# Allegro board SUB_DISPLAY_BOARD_V1_0.brd (continued)
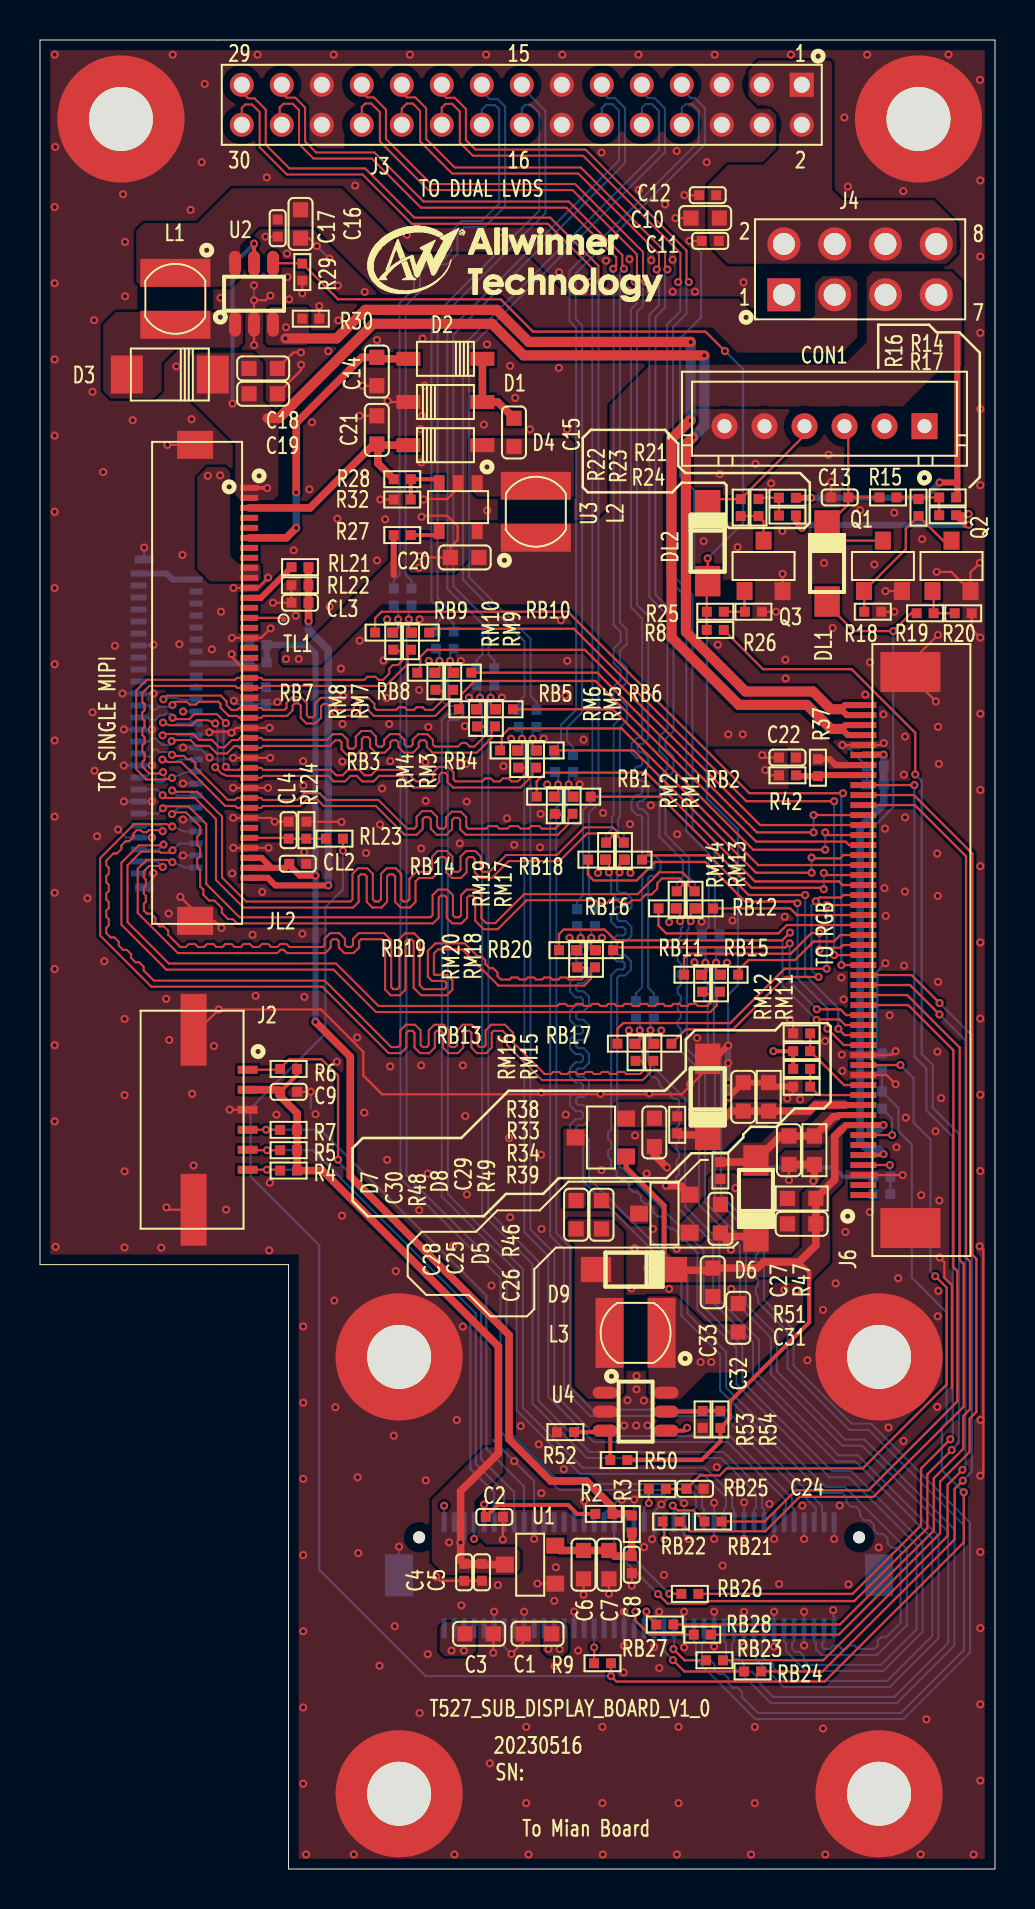
[diagram p0: board, top side]
## Routing (per net, layer and track width the routed paths; a pad name or vN(x,y) marks a point on that pad's centre or on a via; arc(x,y) is an arc through that point) (continued)
DSI1-D1N: length 59
  TOP w0.102: v1(32.54,47.4) 32.54,47.76 RB12.2
  BOTTOM w0.102: J1.58 34.21,11.38 34.3,11.28 34.3,10.54 36.54,8.3 42.84,8.3 45.72,11.18 45.72,16.98 41.23,21.48 40.25,21.48 36.85,24.88 36.85,26.69 35.3,28.24 35.3,31.3 33.26,33.34 33.26,40.11 32.34,41.02 32.34,46.89 32.43,46.97 32.43,47.28 v1(32.54,47.4) 32.54,47.85 RL17.2
DSI1-D1P: length 58.9
  TOP w0.102: v1(32.01,47.4) 32.01,47.87 RM14.2
  BOTTOM w0.102: RL18.2 32.01,47.89 v1(32.01,47.4) 32.12,47.28 32.12,47.1 32.04,47.01 32.04,46.63 31.89,46.48 31.89,46.23 32.04,46.07 32.04,45.82 31.89,45.67 31.89,45.41 32.04,45.26 32.04,45.01 31.89,44.86 31.89,44.6 32.04,44.45 32.04,44.2 31.89,44.04 31.89,43.79 32.04,43.64 32.04,43.38 31.89,43.23 31.89,42.98 32.04,42.82 32.04,42.57 31.89,42.42 31.89,42.16 32.04,42.01 32.04,40.89 32.95,39.98 32.95,33.21 34.99,31.17 34.99,28.11 36.54,26.57 36.54,24.75 40.12,21.17 41.1,21.17 45.42,16.86 45.42,11.31 42.72,8.61 36.67,8.61 35.82,9.45 35.82,9.65 35.61,9.87 35.4,9.87 35.19,10.08 35.19,10.29 34.97,10.5 34.77,10.5 34.61,10.66 34.61,11.28 34.71,11.38 J1.60
DSI1-D2N: length 58.4
  TOP w0.102: RM17.2 28.98,50.26 v1(28.98,49.83)
  BOTTOM w0.102: RL13.2 28.98,50.24 v1(28.98,49.83) 28.86,49.72 28.86,48.92 28.97,48.81 29.3,48.81 29.58,48.53 29.58,48.08 29.3,47.8 28.97,47.8 28.86,47.7 28.86,47.49 28.97,47.39 29.3,47.39 29.58,47.11 29.58,46.66 29.3,46.38 28.97,46.38 28.86,46.27 28.86,45.79 28.97,45.69 29.26,45.69 29.54,45.41 29.54,44.95 29.26,44.67 28.97,44.67 28.86,44.57 28.86,35.26 33.17,30.94 33.17,28.12 35.12,26.17 35.12,24.37 39.6,19.89 40.57,19.89 44.14,16.33 44.14,11.86 42.18,9.91 38.29,9.91 37.3,10.89 37.3,11.28 37.21,11.38 J1.70
DSI1-D2P: length 58.4
  TOP w0.102: v1(28.45,49.83) 28.45,50.34 RM19.2
  BOTTOM w0.102: J1.72 37.71,11.38 37.61,11.28 37.61,11.02 37.77,10.86 37.97,10.86 38.19,10.64 38.19,10.44 38.41,10.21 42.06,10.21 43.83,11.99 43.83,16.2 40.45,19.59 39.48,19.59 34.82,24.25 34.82,26.05 32.87,27.99 32.87,30.82 32.28,31.41 32.1,31.41 31.88,31.63 31.88,31.81 31.67,32.02 31.49,32.02 31.27,32.24 31.27,32.41 31.06,32.63 30.88,32.63 30.66,32.85 30.66,33.02 30.45,33.24 30.27,33.24 30.05,33.46 30.05,33.63 29.84,33.85 29.66,33.85 29.44,34.07 29.44,34.24 29.23,34.46 29.05,34.46 28.84,34.67 28.84,34.85 28.56,35.13 28.56,35.45 28.41,35.6 28.41,35.91 28.56,36.06 28.56,36.36 28.41,36.51 28.41,36.82 28.56,36.97 28.56,44.7 28.84,44.98 29.13,44.98 29.23,45.08 29.23,45.28 29.13,45.38 28.84,45.38 28.56,45.66 28.56,46.4 28.84,46.68 29.17,46.68 29.27,46.78 29.27,46.99 29.17,47.09 28.84,47.09 28.56,47.37 28.56,47.82 28.84,48.1 29.17,48.1 29.27,48.21 29.27,48.41 29.17,48.51 28.84,48.51 28.56,48.79 28.56,49.72 v1(28.45,49.83) 28.45,50.31 RL14.2
DSI1-D3N: length 55.2
  TOP w0.102: RM18.2 27.57,46.12 v1(27.57,46.56)
  BOTTOM w0.102: J1.76 38.71,11.38 38.8,11.28 38.8,10.98 39.08,10.7 41.86,10.7 43.34,12.19 43.34,16 40.24,19.1 39.28,19.1 34.31,24.07 34.31,25.85 32.37,27.79 32.37,29.61 27.45,34.53 27.45,36.5 27.17,36.78 26.91,36.78 26.81,36.88 26.81,37.08 26.91,37.18 27.17,37.18 27.45,37.46 27.45,37.92 27.17,38.2 26.91,38.2 26.81,38.3 26.81,38.51 26.91,38.61 27.17,38.61 27.45,38.89 27.45,39.34 27.17,39.62 26.91,39.62 26.81,39.72 26.81,39.93 26.91,40.03 27.17,40.03 27.45,40.31 27.45,40.77 27.17,41.05 26.91,41.05 26.81,41.15 26.81,41.35 26.91,41.45 27.17,41.45 27.45,41.73 27.45,42.19 27.17,42.47 26.91,42.47 26.81,42.57 26.81,42.77 26.91,42.87 27.17,42.87 27.45,43.15 27.45,43.61 27.17,43.89 26.91,43.89 26.81,43.99 26.81,44.2 26.91,44.3 27.17,44.3 27.45,44.58 27.45,45.03 27.17,45.31 26.91,45.31 26.81,45.41 26.81,45.62 26.91,45.72 27.17,45.72 27.45,46 27.45,46.46 27.55,46.56 v1(27.57,46.56) 27.57,46.96 RL11.2
DSI1-D3P: length 55.2
  TOP w0.102: v1(27.03,46.56) 27.03,46.11 RM20.2
  BOTTOM w0.102: RL12.2 27.03,46.97 v1(27.03,46.56) 27.15,46.44 27.15,46.13 27.05,46.02 26.78,46.02 26.5,45.74 26.5,45.29 26.78,45.01 27.05,45.01 27.15,44.91 27.15,44.7 27.05,44.6 26.78,44.6 26.5,44.32 26.5,43.87 26.78,43.59 27.05,43.59 27.15,43.48 27.15,43.28 27.05,43.18 26.78,43.18 26.5,42.9 26.5,42.44 26.78,42.16 27.05,42.16 27.15,42.06 27.15,41.86 27.05,41.76 26.78,41.76 26.5,41.48 26.5,41.02 26.78,40.74 27.05,40.74 27.15,40.64 27.15,40.44 27.05,40.33 26.78,40.33 26.5,40.05 26.5,39.6 26.78,39.32 27.05,39.32 27.15,39.22 27.15,39.01 27.05,38.91 26.78,38.91 26.5,38.63 26.5,38.18 26.78,37.9 27.05,37.9 27.15,37.79 27.15,37.59 27.05,37.49 26.78,37.49 26.5,37.21 26.5,36.75 26.78,36.47 27.05,36.47 27.15,36.37 27.15,34.41 32.07,29.49 32.07,27.66 34,25.73 34,23.94 39.15,18.8 40.11,18.8 40.32,18.59 40.32,18.33 40.54,18.12 40.79,18.12 41.01,17.9 41.01,17.65 41.22,17.43 41.48,17.43 41.69,17.22 41.69,16.96 41.91,16.75 42.16,16.75 42.38,16.53 42.38,16.28 42.59,16.06 42.85,16.06 43.04,15.88 43.04,12.31 42.31,11.58 42.05,11.58 41.89,11.42 41.89,11.17 41.73,11.01 40.9,11.01 40.73,11.17 40.49,11.17 40.33,11.01 40.09,11.01 39.92,11.17 39.68,11.17 39.51,11.01 39.21,11.01 39.11,11.11 39.11,11.28 39.21,11.38 J1.78
DSI1-DN0: length 39.4
  TOP w0.102: RM11.1 33.83,43.69 33.83,43.17 33.51,42.85 16.8,42.85 14.68,44.97 6.32,44.97 4.07,47.21 4.07,50.32 4.94,51.18 6.13,51.18 v1(6.18,51.22)
  BOTTOM w0.102: JM1.5 5.93,50.98 v1(6.18,51.22)
DSI1-DN1: length 38.5
  TOP w0.102: v1(6.15,53.04) 6.25,53.14 7.43,53.14 8.31,52.25 8.31,49.26 9.98,47.59 19.53,47.59 19.63,47.69 19.63,48.69 19.91,48.97 20.37,48.97 20.65,48.69 20.65,47.69 20.75,47.59 20.95,47.59 21.05,47.69 21.05,48.69 21.33,48.97 21.79,48.97 22.07,48.69 22.07,47.54 22.31,47.29 22.76,47.29 24.21,48.74 29.88,48.74 30.97,49.83 32.12,49.83 32.43,49.52 32.43,49.18 RM13.1
  BOTTOM w0.102: v1(6.15,53.04) 5.89,52.78 JM1.11
DSI1-DN2: length 39.6
  TOP w0.102: v1(6.61,53.93) 6.64,53.86 7.87,53.86 9.1,52.63 9.1,49.58 10.31,48.38 15.52,48.38 15.63,48.48 15.63,49.76 15.91,50.04 16.36,50.04 16.64,49.76 16.64,48.48 16.74,48.38 16.95,48.38 17.05,48.48 17.05,49.76 17.33,50.04 17.78,50.04 18.06,49.76 18.06,48.48 18.17,48.38 18.37,48.38 18.47,48.48 18.47,49.5 18.83,49.86 19.5,49.86 19.6,49.96 19.6,50.62 19.88,50.9 20.34,50.9 20.62,50.62 20.62,49.96 20.72,49.86 20.93,49.86 21.03,49.96 21.03,50.62 21.31,50.9 21.76,50.9 22.04,50.62 22.04,49.96 22.14,49.86 22.46,49.86 23.31,50.7 25.84,50.7 27.23,52.09 28.65,52.09 28.9,51.83 28.9,51.62 RM17.1
  BOTTOM w0.102: JM1.14 6.86,53.68 v1(6.61,53.93)
DSI1-DN3: length 43.3
  TOP w0.102: RM18.1 27.56,44.9 27.56,44.51 27.21,44.17 22.92,44.17 21.11,45.98 19.9,45.98 19.7,45.78 19.7,44.75 19.73,44.71 20.35,44.71 20.62,44.43 20.62,43.96 20.35,43.69 19.06,43.69 18.68,44.06 18.68,46.38 18.58,46.48 18.38,46.48 18.27,46.38 18.27,43.97 17.99,43.69 17.54,43.69 17.26,43.97 17.26,46.31 17.08,46.49 16.06,46.49 15.96,46.39 15.96,46.08 15.68,45.8 15.22,45.8 14.94,46.08 14.94,46.39 14.84,46.49 14.64,46.49 14.54,46.39 14.54,46.08 14.26,45.8 12.35,45.8 12.18,45.97 12.03,45.97 11.86,45.8 6.89,45.8 4.89,47.8 4.89,50.01 5.34,50.46 6.33,50.46 v1(6.62,50.34)
  BOTTOM w0.102: v1(6.62,50.34) 7.26,50.08 JM1.2
DSI1-DP0: length 39.3
  TOP w0.102: RM12.1 33.3,43.86 33.53,43.63 33.53,43.3 33.39,43.15 32.89,43.15 32.79,43.26 32.48,43.26 32.38,43.15 32.08,43.15 31.98,43.26 31.67,43.26 31.57,43.15 31.26,43.15 31.16,43.26 30.86,43.26 30.76,43.15 30.45,43.15 30.35,43.26 30.05,43.26 29.94,43.15 29.64,43.15 29.54,43.26 29.23,43.26 29.13,43.15 28.83,43.15 28.72,43.26 28.42,43.26 28.32,43.15 28.03,43.15 27.93,43.26 27.62,43.26 27.52,43.15 27.21,43.15 27.11,43.26 26.81,43.26 26.71,43.15 26.38,43.15 26.28,43.26 25.97,43.26 25.87,43.15 16.93,43.15 14.81,45.28 6.44,45.28 4.38,47.34 4.38,50.19 5.06,50.88 5.97,50.88 6.03,50.82 6.51,50.82 v1(6.63,50.94)
  BOTTOM w0.102: JM1.6 6.97,51.28 v1(6.63,50.94)
DSI1-DP1: length 38.5
  TOP w0.102: v1(6.6,52.75) 6.68,52.83 7.3,52.83 8.01,52.12 8.01,51.76 7.86,51.61 7.86,51.21 8.01,51.06 8.01,50.65 7.86,50.5 7.86,50.1 8.01,49.95 8.01,49.13 8.17,48.97 8.17,48.71 8.46,48.42 8.71,48.42 9.09,48.05 9.09,47.82 9.41,47.5 9.64,47.5 9.86,47.28 19.65,47.28 19.93,47.56 19.93,48.56 20.04,48.67 20.24,48.67 20.34,48.56 20.34,47.56 20.62,47.28 21.08,47.28 21.36,47.56 21.36,48.56 21.46,48.67 21.66,48.67 21.76,48.56 21.76,47.41 22.18,46.99 22.89,46.99 24.33,48.44 27.77,48.44 27.92,48.29 28.33,48.29 28.48,48.44 28.89,48.44 29.04,48.29 29.45,48.29 29.6,48.44 30.01,48.44 30.3,48.73 30.58,48.73 30.86,49.01 30.86,49.29 31.1,49.53 31.99,49.53 32.13,49.39 32.13,49.18 RM14.1
  BOTTOM w0.102: v1(6.6,52.75) 6.92,53.08 JM1.12
DSI1-DP2: length 39.6
  TOP w0.102: v1(6.13,53.69) 6.2,53.56 7.74,53.56 8.8,52.5 8.8,49.46 10.18,48.07 15.65,48.07 15.93,48.35 15.93,49.63 16.03,49.73 16.24,49.73 16.34,49.63 16.34,48.35 16.62,48.07 17.07,48.07 17.35,48.35 17.35,49.63 17.45,49.73 17.66,49.73 17.76,49.63 17.76,48.35 18.04,48.07 18.5,48.07 18.78,48.35 18.78,49.38 18.95,49.56 19.63,49.56 19.91,49.84 19.91,50.5 20.01,50.6 20.21,50.6 20.32,50.5 20.32,49.84 20.6,49.56 21.05,49.56 21.33,49.84 21.33,50.5 21.43,50.6 21.64,50.6 21.74,50.5 21.74,49.84 22.02,49.56 22.59,49.56 23.43,50.4 25.97,50.4 27.35,51.78 28.52,51.78 28.6,51.7 28.6,51.62 RM19.1
  BOTTOM w0.102: v1(6.13,53.69) 5.85,53.98 JM1.15
DSI1-DP3: length 43.2
  TOP w0.102: v1(6.14,50.11) 6.09,50.16 5.46,50.16 5.19,49.89 5.19,49.58 5.29,49.48 5.29,49.17 5.19,49.07 5.19,48.77 5.29,48.66 5.29,48.36 5.19,48.26 5.19,47.93 5.35,47.77 5.56,47.77 5.77,47.55 5.77,47.35 5.99,47.13 6.19,47.13 6.41,46.92 6.41,46.71 7.02,46.1 7.29,46.1 7.44,46.25 7.75,46.25 7.9,46.1 8.21,46.1 8.36,46.25 8.66,46.25 8.82,46.1 9.12,46.1 9.27,46.25 9.58,46.25 9.73,46.1 10.04,46.1 10.19,46.25 10.49,46.25 10.65,46.1 10.95,46.1 11.1,46.25 11.41,46.25 11.56,46.1 11.86,46.1 12.02,46.25 12.32,46.25 12.47,46.1 14.13,46.1 14.23,46.2 14.23,46.51 14.51,46.79 14.97,46.79 15.25,46.51 15.25,46.2 15.35,46.1 15.55,46.1 15.65,46.2 15.65,46.51 15.93,46.79 17.21,46.79 17.56,46.44 17.56,44.09 17.66,43.99 17.87,43.99 17.97,44.09 17.97,46.51 18.25,46.79 18.7,46.79 18.98,46.51 18.98,44.19 19.18,43.99 20.22,43.99 20.31,44.09 20.31,44.31 20.22,44.4 19.61,44.4 19.39,44.62 19.39,45.91 19.77,46.28 21.24,46.28 21.87,45.65 22.05,45.65 22.27,45.43 22.27,45.26 22.48,45.04 22.66,45.04 22.88,44.82 22.88,44.65 23.05,44.48 23.48,44.48 23.58,44.58 23.89,44.58 23.99,44.48 24.29,44.48 24.4,44.58 24.7,44.58 24.8,44.48 25.11,44.48 25.21,44.58 25.51,44.58 25.61,44.48 25.92,44.48 26.02,44.58 26.33,44.58 26.43,44.48 27.09,44.48 27.25,44.64 27.25,44.99 27.15,45.09 RM20.1
  BOTTOM w0.102: JM1.3 5.87,50.38 v1(6.14,50.11)
L/R: length 4.3
  TOP w0.114: R38.1 R33.2 40.2,39.2 J6.12
LCD0-CLK: length 35
  TOP w0.114: v1(44.76,29.64) 45.33,29.07 45.33,24.22 41.14,20.03 34.34,20.03 33.98,19.68 33,19.68 32.33,19.01 C24.2 32.32,19.01 RB25.1 ; J6.14 v1(43.02,40.2)
  BOTTOM w0.114: v1(44.76,29.64) 44.53,29.88 44.53,36.47 43.68,37.32 43.68,39.54 v1(43.02,40.2)
LCD0-D0: length 19.6
  TOP w0.114: RB1.1 24.83,54.37 25.28,54.82 30.31,54.82 35.75,49.38 39.95,49.38 40.14,49.2 J6.32
LCD0-D1: length 16.4
  TOP w0.114: RB2.1 31.02,53.62 35.58,49.06 39.12,49.06 v1(39.19,48.99) ; J6.33 39.3,49.7 v1(39.19,49.81)
  BOTTOM w0.114: v1(39.19,48.99) v1(39.19,49.81)
LCD0-D2: length 21.8
  TOP w0.114: RB3.1 23.09,56.02 23.09,56.66 23.46,57.03 29.08,57.03 35.91,50.2 J6.34
LCD0-D3: length 18.8
  TOP w0.114: v1(38.58,49.81) 35.8,49.81 29.69,55.93 RB4.1 ; J6.35 40.17,50.7 40.01,50.53 38.62,50.53 v1(38.58,50.57)
  BOTTOM w0.114: v1(38.58,50.57) v1(38.58,49.81)
LCD0-D4: length 24.6
  TOP w0.114: J6.36 40.46,51.2 40.28,51.37 35.81,51.37 27.78,59.4 21.74,59.4 21.07,58.73 21.07,58.11 RB5.1
LCD0-D5: length 21.4
  TOP w0.114: RB6.1 28.64,57.99 35.66,50.97 v1(39.26,50.97) ; v1(39.26,51.83) 39.4,51.7 J6.37
  BOTTOM w0.114: v1(39.26,51.83) v1(39.26,50.97)
LCD0-D6: length 26.8
  TOP w0.114: RB7.1 19.01,59.97 19.01,60.61 19.36,60.96 27.25,60.96 36.01,52.2 J6.38
LCD0-D7: length 23.8
  TOP w0.114: v1(38.68,52.7) J6.39 ; RB8.1 27.86,59.82 35.85,51.83 v1(38.68,51.83)
  BOTTOM w0.114: v1(38.68,52.7) v1(38.68,51.83)
LCD0-D8: length 37.7
  TOP w0.114: RB9.1 16.76,62.54 17.08,62.87 26.39,62.87 35.47,53.79 v1(40.15,53.79) ; J6.24 v1(40.07,45.2)
  BOTTOM w0.114: v1(40.15,53.79) 40.07,53.71 v1(40.07,45.2)
LCD0-D9: length 33.1
  TOP w0.114: RB10.1 19.65,62.01 26.7,62.01 35.32,53.39 v1(39.71,53.39) ; v1(39.71,45.7) J6.25
  BOTTOM w0.114: v1(39.71,45.7) v1(39.71,53.39)
LCD0-D10: length 11.2
  TOP w0.114: v1(38.97,46.8) 38.58,46.8 37.54,45.77 32.44,45.77 32.2,45.53 RB11.1 ; J6.26 40.15,46.2 40.02,46.06 39.06,46.06 v1(38.97,45.97)
  BOTTOM w0.114: v1(38.97,45.97) v1(38.97,46.8)
LCD0-D11: length 7.2
  TOP w0.114: RB15.1 34.91,44.93 35.43,45.45 37.75,45.45 38.68,46.38 39.69,46.38 40.01,46.7 J6.27
LCD0-D12: length 11.4
  TOP w0.114: RB16.1 30.93,47.16 31.31,46.78 36.92,46.78 37.34,47.2 J6.28
LCD0-D13: length 7.6
  TOP w0.114: J6.29 37.84,47.7 37.51,48.03 RB12.1
LCD0-D14: length 17.5
  TOP w0.114: RB13.1 28.87,42.01 29.16,42.3 34.52,42.3 37.23,45.01 v1(39.34,45.01) ; J6.30 v1(39.34,48.2)
  BOTTOM w0.114: v1(39.34,48.2) v1(39.34,45.01)
LCD0-D15: length 15.3
  TOP w0.114: v1(38.93,44.6) 37.27,44.6 34.65,41.98 32.29,41.98 RB17.1 ; v1(38.79,48.39) 38.98,48.57 40.05,48.57 40.17,48.7 J6.31
  BOTTOM w0.114: v1(38.79,48.39) 38.57,48.17 38.57,44.96 v1(38.93,44.6)
LCD0-D16: length 21.6
  TOP w0.114: RB14.1 27.4,49.72 27.69,49.43 29.83,49.43 30.75,50.35 33.28,50.35 35.26,48.38 37.79,48.38 v1(37.87,48.29) ; J6.16 40.2,41.2 v1(39.37,42.02)
  BOTTOM w0.114: v1(37.87,48.29) 37.87,44.53 39.37,43.04 v1(39.37,42.02)
LCD0-D17: length 17.8
  TOP w0.114: RB18.1 30.32,50.69 33.45,50.69 35.44,48.7 v1(38.26,48.7) ; v1(39.92,42.01) 40.23,41.7 J6.17
  BOTTOM w0.114: v1(39.92,42.01) 39.92,43.03 38.26,44.69 v1(38.26,48.7)
LCD0-D18: length 20.5
  TOP w0.114: J6.18 40.26,42.2 39.98,42.48 38.86,42.48 v1(38.83,42.46) ; v1(37.5,46.82) 37.11,46.43 28.78,46.43 28.23,46.97 26.18,46.97 25.95,46.74 RB19.1
  BOTTOM w0.114: v1(37.5,46.82) 37.13,46.45 37.13,44.16 v1(38.83,42.46)
LCD0-D19: length 15.3
  TOP w0.114: RB20.1 28.79,46.08 37.29,46.08 v1(37.49,46.28) ; v1(38.84,42.99) 38.85,42.98 40.02,42.98 40.31,42.7 J6.19
  BOTTOM w0.114: v1(38.84,42.99) 37.49,44.34 v1(37.49,46.28)
LCD0-D20: length 37.4
  TOP w0.114: J6.20 43.41,43.2 45.67,40.94 45.67,30.1 45.87,29.9 45.87,23.38 41.42,18.93 37.79,18.93 36.23,17.37 RB21.1
LCD0-D21: length 40.9
  TOP w0.114: RB22.1 32.46,16.89 36.27,16.89 37.98,18.61 41.67,18.61 46.18,23.12 46.18,30.25 45.99,30.45 45.99,41.07 43.36,43.7 J6.21
LCD0-D22: length 45.2
  TOP w0.114: v1(46.12,19.96) 45.38,19.22 45.38,16.65 39.17,10.44 RB23.1 ; J6.22 43.51,44.2 v1(44.97,42.73)
  BOTTOM w0.114: v1(46.12,19.96) 46.28,20.11 46.28,41.43 v1(44.97,42.73)
LCD0-D23: length 44.6
  TOP w0.114: v1(44.98,43.3) 43.58,44.7 J6.23 ; v1(46.14,19.42) 45.73,19.01 45.73,16.48 39.13,9.88 RB24.1
  BOTTOM w0.114: v1(46.14,19.42) 46.59,19.87 46.59,41.69 v1(44.98,43.3)
LCD0-DE: length 53.6
  TOP w0.114: J6.42 v1(43.72,54.2) ; v1(45.52,21.49) 44.05,20.02 44.05,17.18 40.63,13.76 RB26.1
  BOTTOM w0.114: v1(43.72,54.2) 43.72,40.62 44.32,40.02 44.32,37.93 45.64,36.61 45.64,21.61 v1(45.52,21.49)
LCD0-HSYNC: length 55.7
  TOP w0.114: J6.40 43.74,53.2 46.31,50.63 46.31,30.58 46.5,30.38 46.5,22.99 46.17,22.65 46.17,21.01 44.69,19.54 44.69,16.92 40,12.23 RB27.1
LCD0-VSYNC: length 55
  TOP w0.114: RB28.1 39.94,11.72 45.01,16.79 45.01,19.38 46.48,20.85 46.48,22.52 46.82,22.86 46.82,30.51 46.62,30.71 46.62,50.77 43.7,53.7 J6.41
LCD-BL-PWM: length 72.8
  TOP w0.114: R8.2 36.15,59.99 40.58,59.99 43.76,56.81 v1(43.76,54.73) ; v1(30.9,13.75) 31.37,13.27 33.28,13.27 33.4,13.4 40.72,13.4 44.37,17.05 44.37,19.74 v1(45.59,20.95)
  BOTTOM w0.114: v1(45.59,20.95) 45.96,21.32 45.96,36.75 44.64,38.07 44.64,40.21 44.09,40.76 44.09,54.41 v1(43.76,54.73) ; J1.35 28.71,15.94 v1(30.9,13.75)
LCD-BL-PWREN: length 1.7
  TOP w0.114: R9.2 27.71,10.3 v1(27.71,11.08)
  BOTTOM w0.114: J1.32 v1(27.71,11.08)
LCD-CLK: length 1.8
  TOP w0.114: v1(30.45,18.29) 30.44,18.3 RB25.2
  BOTTOM w0.114: J1.41 30.21,18.05 v1(30.45,18.29)
LCD-D20: length 2.8
  TOP w0.114: v1(31.64,18.17) 31.88,17.93 32.67,17.93 RB21.2
  BOTTOM w0.114: v1(31.64,18.17) 31.71,18.1 J1.47
LCD-D21: length 1.8
  TOP w0.114: RB22.2 31.22,17.29 v1(31.22,16.48)
  BOTTOM w0.114: J1.45 31.21,16.49 v1(31.22,16.48)
LCD-D22: length 2.9
  TOP w0.114: RB23.2 32.23,10.44 v1(31.67,11)
  BOTTOM w0.114: v1(31.67,11) 31.71,11.03 J1.48
LCD-D23: length 5.6
  TOP w0.114: RB24.2 32.22,9.88 v1(31.65,10.45)
  BOTTOM w0.114: J1.46 31.21,10.89 v1(31.65,10.45)
LCD-DE: length 5.1
  TOP w0.114: v1(31.47,13.76) 32.06,13.76 RB26.2
  BOTTOM w0.114: v1(31.47,13.76) 29.21,16.02 J1.37
LCD-HSYNC: length 1.7
  TOP w0.114: RB27.2 30.32,12.72 v1(30.32,12.87)
  BOTTOM w0.114: J1.42 30.21,12.76 v1(30.32,12.87)
LCD-PWM: length 39.5
  TOP w0.114: v1(34.25,75.9) 33.28,76.87 24.65,76.87 23.04,78.49 14.9,78.49 R29.2 13.1,80.29 U2.4 ; v1(33.39,65.53) DL2.1 33.34,64.35 R25.2 33.34,62.86 R8.1
  BOTTOM w0.114: v1(33.39,65.53) 35.16,67.3 35.16,74.99 v1(34.25,75.9)
LCD-PWREN: length 131.7
  TOP w0.114: v1(46.19,18.84) 46.19,16.33 39.23,9.37 28.82,9.37 v1(28.55,9.64) R9.1 ; R19.2 43.55,62.79 v1(42.66,61.9) 40.69,61.9 39.35,63.23 DL1.1 ; RL23.1 v1(15.15,50.91)
  BOTTOM w0.114: v1(46.19,18.84) 45.1,19.93 45.1,22.09 45.32,22.32 45.32,27.84 43.59,29.57 43.59,36.23 42.93,36.89 42.93,38.04 R45.1 R41.1 41.51,40.52 41.51,51.94 42.66,53.09 v1(42.66,61.9) ; v1(15.15,50.91) 15.15,48.97 14.27,48.1 14.27,41.77 10.53,38.03 10.53,34.61 13.96,31.19 13.96,14.96 19.28,9.64 v1(28.55,9.64)
LCD-RST: length 3
  TOP w0.114: J6.7 v1(42.61,36.7)
  BOTTOM w0.114: v1(42.61,36.7) 42.61,37.51 R45.2
LCD-VSYNC: length 4.5
  TOP w0.114: v1(29.77,12.87) 29.77,12.43 30.47,11.72 RB28.2
  BOTTOM w0.114: J1.40 29.71,12.81 v1(29.77,12.87)
LVDS0-CLKN: length 30.4
  BOTTOM w0.102: J3.15 24.09,89.11 25.27,87.92 25.27,82.79 19.88,77.4 19.88,63.54 20.39,63.02 20.39,62.56 20.69,62.27 RL7.1
LVDS0-CLKP: length 30.4
  BOTTOM w0.102: J3.16 24.09,88.04 24.27,88.21 24.55,88.21 24.97,87.8 24.97,82.92 19.58,77.53 19.58,63.41 20.09,62.9 20.09,62.56 19.8,62.27 RL8.1
LVDS0-DN0: length 37.4
  BOTTOM w0.102: J3.7 32.09,89.01 32.55,88.54 32.75,88.54 33.24,88.05 33.24,86.24 26.78,79.78 26.78,77.51 27.11,77.18 27.11,57.84 26.36,57.08 26.36,56.39 26.65,56.1 RL1.1
LVDS0-DN1: length 37.4
  BOTTOM w0.102: J3.9 30.09,88.87 30.4,88.56 30.73,88.56 31.25,88.03 31.25,85.84 21.46,76.05 21.46,64.58 24.53,61.51 24.53,58.65 24.83,58.35 RL3.1
LVDS0-DN2: length 34.3
  BOTTOM w0.102: RL5.1 22.72,60.44 22.43,60.73 22.43,62.38 20.67,64.14 20.67,76.72 29.25,85.3 29.25,88.05 28.75,88.54 28.41,88.54 28.09,88.86 J3.11
LVDS0-DN3: length 29.3
  BOTTOM w0.102: RL9.1 18.58,64.42 18.29,64.72 18.29,78.17 19.01,78.89 19.01,79.89 19.35,80.23 20.35,80.23 20.87,80.75 20.87,81.75 21.21,82.09 22.21,82.09 23.26,83.15 23.26,88.11 22.88,88.49 22.49,88.49 22.09,88.89 J3.17
LVDS0-DP0: length 37.4
  BOTTOM w0.102: J3.8 32.09,88.06 32.27,88.24 32.62,88.24 32.94,87.92 32.94,86.37 26.48,79.91 26.48,77.38 26.81,77.05 26.81,57.96 26.05,57.21 26.05,56.39 25.76,56.1 RL2.1
LVDS0-DP1: length 37.3
  BOTTOM w0.102: RL4.1 23.94,58.35 24.23,58.65 24.23,61.38 21.16,64.45 21.16,76.18 30.94,85.96 30.94,87.91 30.6,88.25 30.29,88.25 30.09,88.05 J3.10
LVDS0-DP2: length 34.2
  BOTTOM w0.102: J3.12 28.09,88.05 28.28,88.24 28.63,88.24 28.95,87.92 28.95,85.43 20.37,76.84 20.37,64.01 22.12,62.26 22.12,60.73 21.83,60.44 RL6.1
LVDS0-DP3: length 29.1
  BOTTOM w0.102: RL10.1 17.69,64.42 17.98,64.72 17.98,78.29 18.7,79.01 18.7,80.02 19.22,80.54 20.22,80.54 20.56,80.88 20.56,81.88 21.08,82.4 22.08,82.4 22.96,83.27 22.96,87.99 22.76,88.19 22.32,88.19 22.09,87.96 J3.18
LVDS1-CLKN: length 52.3
  TOP w0.102: J3.27 12.09,88.81 12.33,88.57 12.76,88.57 13.26,88.08 13.26,86.38 13.8,85.83 16.72,85.83 19.18,83.38 26.44,83.38 29.12,80.7 29.12,80.09 v1(29.2,80.02)
  BOTTOM w0.102: v1(29.2,80.02) 28.99,79.81 28.99,62.33 29.34,61.99 29.34,61.24 28.99,60.9 28.99,60.42 29.34,60.07 29.34,59.33 28.99,58.99 28.99,58.51 29.34,58.16 29.34,57.42 28.99,57.08 28.99,52.58 28.9,52.49 28.9,51.99 29.19,51.7 RL13.1
LVDS1-CLKP: length 52.4
  TOP w0.102: J3.28 11.98,87.32 11.98,88.07 12.18,88.27 12.64,88.27 12.95,87.95 12.95,86.25 13.68,85.52 16.6,85.52 19.05,83.07 26.32,83.07 28.81,80.58 28.81,80.17 v1(28.66,80.02)
  BOTTOM w0.102: v1(28.66,80.02) 28.69,79.99 28.69,79.94 28.69,79.94 28.69,62.21 29.03,61.86 29.03,61.37 28.69,61.02 28.69,60.29 29.03,59.95 29.03,59.46 28.69,59.11 28.69,58.38 29.03,58.04 29.03,57.55 28.69,57.2 28.69,52.7 28.6,52.62 28.6,51.99 28.31,51.7 RL14.1
LVDS1-DN0: length 52.3
  TOP w0.102: v1(32.44,79.35) 32.33,79.46 32.33,80.93 27.28,85.97 21.77,85.97 21.29,86.45 21.29,88.01 20.74,88.56 20.31,88.56 20.09,88.79 J3.19
  BOTTOM w0.102: v1(32.44,79.35) 32.33,79.24 32.33,77.77 31.65,77.09 31.65,64.68 32.62,63.72 32.62,52.02 33.74,50.9 33.74,46.99 RL19.1
LVDS1-DN1: length 51.5
  TOP w0.102: v1(31.37,79.98) 31.25,80.09 31.25,80.87 27.04,85.08 20.73,85.08 19.31,86.5 19.31,88.04 18.77,88.58 18.34,88.58 18.09,88.83 J3.21
  BOTTOM w0.102: v1(31.37,79.98) 31.25,79.87 31.25,78.07 30.77,77.59 30.77,63.73 31.68,62.82 31.68,56.9 31.28,56.5 31.28,56.02 31.68,55.62 31.68,54.88 31.28,54.48 31.28,51.74 32.45,50.57 32.45,49.58 32.74,49.29 RL17.1
LVDS1-DN2: length 59.3
  TOP w0.102: J3.23 16.09,88.85 16.35,88.58 16.69,88.58 17.3,87.97 17.3,86.5 19.55,84.25 26.76,84.25 30.15,80.86 30.15,79.48 v1(30.27,79.37)
  BOTTOM w0.102: v1(30.27,79.37) 30.15,79.26 30.15,78.16 29.85,77.86 29.85,63.22 30.41,62.65 30.41,56.53 30.13,56.25 29.98,56.25 29.88,56.15 29.88,55.95 29.98,55.85 30.13,55.85 30.41,55.57 30.41,55.11 30.13,54.83 29.98,54.83 29.88,54.73 29.88,54.53 29.98,54.42 30.13,54.42 30.41,54.14 30.41,53.69 30.13,53.41 29.98,53.41 29.88,53.31 29.88,53.1 29.98,53 30.13,53 30.41,52.72 30.41,50.78 30.52,50.68 30.75,50.68 31.03,50.4 31.03,49.94 30.75,49.66 30.52,49.66 30.41,49.56 30.41,44.06 30.69,43.79 RL15.1
LVDS1-DN3: length 55.4
  TOP w0.102: v1(28.04,79.36) 27.92,79.47 27.92,80.16 25.52,82.57 18.72,82.57 16.25,85.03 12.47,85.03 11.29,86.22 11.29,87.98 10.73,88.53 10.41,88.53 10.09,88.85 J3.29
  BOTTOM w0.102: RL11.1 27.75,48.39 27.45,48.68 27.45,52.82 27.92,53.29 27.92,79.24 v1(28.04,79.36)
LVDS1-DP0: length 52.3
  TOP w0.102: v1(31.91,79.35) 32.02,79.46 32.02,80.8 27.15,85.67 21.64,85.67 20.99,86.32 20.99,87.88 20.61,88.26 20.28,88.26 20.09,88.07 J3.20
  BOTTOM w0.102: v1(31.91,79.35) 32.02,79.24 32.02,77.89 31.35,77.22 31.35,64.56 32.32,63.59 32.32,51.89 33.44,50.77 33.44,47.09 RL20.1
LVDS1-DP1: length 51.4
  TOP w0.102: J3.22 18.09,88.03 18.34,88.28 18.64,88.28 19,87.91 19,86.38 20.61,84.78 26.92,84.78 30.95,80.74 30.95,80.09 v1(30.84,79.98)
  BOTTOM w0.102: v1(30.84,79.98) 30.95,79.87 30.95,78.2 30.47,77.72 30.47,63.6 31.37,62.7 31.37,57.03 30.97,56.63 30.97,55.89 31.37,55.49 31.37,55.01 30.97,54.61 30.97,51.61 32.14,50.45 32.14,49.58 31.85,49.29 RL18.1
LVDS1-DP2: length 59.3
  TOP w0.102: v1(29.73,79.37) 29.85,79.48 29.85,80.73 26.63,83.95 19.42,83.95 16.99,86.38 16.99,87.85 16.56,88.28 16.26,88.28 16.09,88.11 J3.24
  BOTTOM w0.102: RL16.1 29.8,43.79 30.11,44.1 30.11,49.69 30.39,49.97 30.62,49.97 30.73,50.07 30.73,50.27 30.62,50.37 30.39,50.37 30.11,50.65 30.11,52.6 30.01,52.7 29.86,52.7 29.58,52.98 29.58,53.43 29.86,53.71 30.01,53.71 30.11,53.81 30.11,54.02 30.01,54.12 29.86,54.12 29.58,54.4 29.58,54.86 29.86,55.14 30.01,55.14 30.11,55.24 30.11,55.44 30.01,55.54 29.86,55.54 29.58,55.82 29.58,56.28 29.86,56.56 30.01,56.56 30.11,56.66 30.11,62.53 29.55,63.09 29.55,77.98 29.85,78.28 29.85,79.26 v1(29.73,79.37)
LVDS1-DP3: length 55.3
  TOP w0.102: v1(27.5,79.36) 27.62,79.47 27.62,80.04 25.39,82.27 18.59,82.27 16.13,84.73 12.35,84.73 10.98,86.09 10.98,87.85 10.6,88.23 10.26,88.23 10.09,88.06 J3.30
  BOTTOM w0.102: v1(27.5,79.36) 27.62,79.24 27.62,53.41 27.15,52.95 27.15,48.68 26.86,48.39 RL12.1
MODE: length 3.4
  TOP w0.305: J6.43 38.95,54.7 R37.2 37.84,54.64 R42.1
PWM: length 1.8
  TOP w0.114: TL1.1 12.1,62.56 JL2.14
RST: length 3.9
  TOP w0.114: JL2.36 12.39,51.56 CL4.1 RL24.2 RL23.2
U/D: length 3.7
  TOP w0.114: J6.11 38.93,38.7 R39.1 R34.2
VCL: length 2.8
  TOP w0.305: RL21.1 11.04,63.56 JL2.12
VCOM: length 20.4
  TOP w0.305: JL2.40 11.39,49.56 11.77,49.18 v1(14.41,49.18)
  TOP w0.381: v1(13.43,62.4) CL3.1 13.43,64.18 RL22.1 13.42,65.09 RL21.2
  BOTTOM w0.381: v1(14.41,49.18) 14.41,60.96 13.43,61.94 v1(13.43,62.4)
VCOM1: length 23.3
  TOP w0.203: v1(42.18,35.75) 42.13,35.7 J6.5
  TOP w0.305: v1(42.18,55.72) 41.2,55.72 J6.45
  BOTTOM w0.381: v1(42.18,55.72) 42.19,55.72 R43.1 C23.2 42.19,53.25 41.01,52.07 41.01,36.37 41.39,35.99 R35.2 41.94,35.99 v1(42.18,35.75)
VGH-LCD: length 10
  TOP w0.305: 40.27,38.2 J6.10
  TOP w0.381: R48.1 31.94,36.71 D8.2 34.58,37.9 C29.2 R49.2 38.46,37.9 38.76,38.2 40.27,38.2
VGL-LCD: length 8.1
  TOP w0.305: 39.84,37.62 39.92,37.7 J6.9
  TOP w0.381: 39.84,37.62 39.69,37.62 R47.1 C27.2 37.02,36.65 D6.1 35.72,35.35 R46.2
VLED+: length 63.8
  TOP w0.203: U2.5 v1(10.7,81.27) ; 11.38,69.05 11.38,69.06 JL2.1
  TOP w0.305: J6.49 40.34,57.7 40.04,57.99 40.25,58.2 J6.50
  TOP w0.508: 40.04,57.99 39.54,57.99 38.66,58.88 35.28,58.88 32.3,61.86 32.3,71.24 v1(32.65,71.59) ; v1(33.22,75.68) 24.18,75.68 22.6,77.26 16.66,77.26 11.94,72.54 11.38,72.54
  BOTTOM w0.203: v1(10.7,81.27) 9.63,80.19 v1(9.63,73.27)
  BOTTOM w0.305: JM1.51 6.33,64.78 6.63,64.48 JM1.50
  BOTTOM w0.508: v1(32.65,71.59) 33.22,72.16 v1(33.22,75.68)
  vias: v1(11.36,69.05)
VLED-: length 49.5
  TOP w0.305: J6.48 40.28,57.2 40.08,57 40.39,56.7 J6.47
  TOP w0.508: v1(12.27,76.53) 14.83,76.53 16.26,77.96 22.84,77.96 24.44,76.36 32.53,76.36 v1(32.53,76.35) ; 40.08,57 39.55,57 38.35,58.21 34.95,58.21 31.58,61.57 31.58,71.51 32.49,72.42 v1(32.53,72.42)
  BOTTOM w0.508: v1(32.53,72.42) 32.53,72.42 v1(32.53,76.35)
  vias: v1(8.39,69.66) v1(9.01,69.68) v1(12.3,77.09)
N16786142: length 2.7
  BOTTOM w0.305: RM21.1 10.43,60.28 JM1.36
N16885607: length 5.2
  TOP w0.381: R3.1 C8.2 28.73,15.64 C7.2 C6.2 26,15.93 U1.2
N16920620: length 6.7
  TOP w0.114: CON1.4 38.23,71.69 R22.1 33.69,68.5 DL2.2
N16920652: length 3.1
  TOP w0.114: R15.2 43.84,68.58 R16.2 44.01,68.58 R14.1 R17.1
N16920687: length 10.2
  TOP w0.114: R15.1 C13.1 ; C13.1 40.41,68.24 DL1.2 40.11,66.42 Q1.3 ; C13.1 40.41,71.95 CON1.3
N16920734: length 8.1
  TOP w0.114: R18.2 41.22,63.88 Q1.1 43.29,65.99 43.29,67.01 R16.1 45.15,66.42 Q2.3
N16920761: length 2.2
  TOP w0.114: R20.2 R19.1 44.68,63.84 Q2.1
N16920797: length 1.9
  TOP w0.114: R23.2 35.99,68.56 R21.1 R24.1
N16920814: length 2.2
  TOP w0.114: R22.2 R23.1 36.18,67.39 Q3.3
N16920890: length 2.1
  TOP w0.114: Q3.1 35.23,62.88 R26.2 R25.1
N16934978: length 4.1
  TOP w0.381: C15.2 22.89,73.35 D1.1 D2.2
N16935012: length 2.5
  TOP w0.203: U3.3 19.76,69.49 R28.2 R32.1
N16935078: length 1.5
  TOP w0.203: U3.4 19.76,66.7 R27.2
N17008410: length 3.2
  TOP w0.203: R50.1 28.52,21.66 U4.3 28.18,21.84 R52.2
N17046759: length 2.7
  TOP w0.203: R54.2 R53.2 33.1,22.87 U4.5

## Copper pours and planes (outline as drawn; the poured copper is in the pictures)
AVDD-LCD on TOP: 37.59,30.61 31.62,30.61 31.24,30.99 31.11,30.99 30.73,30.61 30.73,29.46 30.86,29.34 35.69,29.34 35.94,29.59 38.1,29.59 38.35,29.34 38.48,29.34 39.5,30.35 39.5,33.66 40.13,34.29 40.13,36.7 40.51,37.08 40.51,37.21 40.39,37.34 40.13,37.34 39.37,36.58 39.37,34.67 38.73,34.04 38.35,34.04 38.1,33.78 38.1,31.11
GND on TOP: 12.94,0.51 12.94,30.73 0.51,30.73 0.51,90.94 47.24,90.94 47.24,0.51 ; 36 cut-outs
GND on BOTTOM: 12.94,0.51 12.94,30.73 0.51,30.73 0.51,90.94 47.24,90.94 47.24,0.51 ; 28 cut-outs
GND on L2, L3: 12.94,0.51 12.94,30.73 0.51,30.73 0.51,90.94 47.24,90.94 47.24,0.51 ; 7 cut-outs
VCC-3V3-DEV on TOP: 30.43,28.64 30.43,23.76 30.7,23.48 32.01,23.48 33.35,24.82 35.49,24.82 38.16,27.49 38.16,29.11 37.96,29.31 36.78,29.31 36.59,29.12 36.59,28.63 35.2,27.25 33.2,27.25 31.81,28.64
VCC-3V3-DEV on TOP: 13.32,61.21 12.43,61.21 12.05,60.83 12.05,60.33 12.18,60.2 13.7,60.2 13.71,60.21 14.05,60.21 17.08,63.24 26.36,63.24 33.46,56.13 37.29,56.13 37.51,55.92 37.51,55.22 37.57,55.16 39.33,55.16 39.49,55 40.34,55 40.5,55.15 40.5,55.3 37.99,57.82 34.74,57.82 31.14,61.42 31.14,71.65 32.51,73.02 32.52,73.02 32.63,73.13 43.14,73.13 44.94,74.93 45.85,74.93 46.09,75.18 46.09,79.37 45.58,79.88 41.64,79.88 41.33,79.58 41.33,76.34 40.21,75.21 30.51,75.21 28.5,73.2 28.5,68.02 27.92,67.45 27.92,67.41 27.83,67.32 21.52,67.32 21.51,67.3 21.51,65.41 20.79,64.69 18.47,64.69 17.73,65.43 17.54,65.43
VCC-3V3-DEV on TOP: 24.01,15.85 24.01,15.01 23.71,14.71 20.25,14.71 19.59,15.37 19.59,18.47 21.73,20.6 21.75,20.6 22.23,21.08 22.92,21.08 23.15,20.85 23.15,19.84 21.73,18.41 21.73,16.64 22.26,16.1 23.76,16.1
VCC-3V3-DEV on BOTTOM: 21.32,17.93 20.58,17.93 20.51,17.86 20.51,16.76 20.2,16.46 20.2,16.03 20.36,15.88 21.22,15.88 21.42,16.08 21.42,17.83
VCC-3V3-DEV on BOTTOM: 34.02,57.42 33.74,57.14 33.74,53.54 35.1,52.17 35.1,33.62 36.89,31.84 36.89,28.75 37.02,28.63 38.36,28.63 38.69,28.96 38.69,32.79 36.89,34.59 36.89,34.75 37.13,34.99 37.13,35.12 36.89,35.36 36.89,53.19 35.72,54.36 35.72,57.12 35.42,57.42
VCC-3V3-DEV on BOTTOM: 4.56,60.2 4.56,59.18 5.83,59.18 6.08,58.93 8.24,58.93 8.49,58.67 12.94,58.67 13.32,59.05 13.32,60.71 13.19,60.83 12.05,60.83 11.92,60.71 11.92,59.94 11.8,59.82 7.48,59.82 7.1,60.2
VCC-3V3-DEV on L2: 19.69,16 20.18,15.52 20.94,15.52 21.97,16.55 30,16.55 34.73,21.29 34.73,25.02 33.97,25.78 32.8,25.78 32.17,25.15 32.17,22.78 29.5,20.11 21.06,20.11 19.69,18.75
VCC-5V on TOP: 26.4,10.91 26.15,10.66 25.4,10.66 25.15,10.91 25.15,12.2 25.24,12.29 26.21,12.29 26.4,12.1
VCC-5V on TOP: 10.02,81.19 10.95,82.12 13.72,82.12 17.12,78.72 23.05,78.72 24.7,77.07 33.62,77.07 34.87,75.82 40.1,75.82 40.87,76.58 40.87,79.35 40.57,79.65 39.13,79.65 38.75,79.27 38.75,77.72 38.45,77.42 36.01,77.42 34.92,78.51 26.52,78.51 24.28,80.74 18.37,80.74 15.16,83.96 15.15,83.96 15.07,84.04 9.6,84.04 7.86,82.3 5.19,82.3 4.81,81.92 4.81,79.38 5.06,79.12 9.51,79.12 10.02,79.63
VCC-5V on BOTTOM: 40.37,79.63 39.23,79.63 38.85,79.25 38.85,77.98 40.75,76.07 42.91,76.07 45.32,73.66 45.32,67.69 44.94,67.31 44.94,67.18 45.2,66.93 46.55,66.93 46.68,67.06 46.68,74.59 43.8,77.47 41.64,77.47 40.62,78.49 40.62,79.38
VCC-5V on BOTTOM: 26.33,12.54 25.04,12.54 25.01,12.5 25.01,10.92 25.28,10.65 26.08,10.65 26.35,10.92 26.35,12.52
VCC-5V on L2: 45.38,67.51 45.38,67.88 45.59,68.09 46.52,68.09 46.67,67.95 46.67,20.76 45.15,19.25 45.15,12.14 41.17,8.16 25.93,8.16 24.78,9.31 24.78,11.33 25.26,11.81 41.33,11.81 43.15,13.64 43.15,21.63 45.38,23.85
VCC-PANEL on TOP: 39.48,90.42 35.93,90.42 35.42,89.92 35.42,88.65 35.93,88.14 36.56,88.14 36.94,87.76 36.94,85.98 36.18,85.22 34.4,85.22 33.39,84.2 33.39,81.28 34.4,80.26 45.32,80.26 45.84,80.78 45.84,82.29 44.69,83.44 40.12,83.44 39.61,83.95 39.61,90.3
DCIN-12V on TOP: 21.53,12.34 20.24,12.34 19.98,12.09 19.98,10.9 20.24,10.64 21.53,10.64 21.78,10.9 21.78,12.09
DCIN-12V on BOTTOM: 37.95,79.69 35.86,79.69 35.68,79.51 35.68,76.69 38.97,73.41 40.75,73.41 41.59,72.57 41.59,71.62 41.88,71.33 44.78,71.33 45.1,71.65 45.1,73.25 42.53,75.82 40.07,75.82 38.09,77.8 38.09,79.56
DCIN-12V on BOTTOM: 22.32,12.57 22.32,11.01 21.96,10.65 20.25,10.65 20.06,10.85 20.06,12.57
DCIN-12V on L2: 43.16,73.03 41.64,73.03 41.31,72.7 41.31,66.43 40.79,65.9 40.79,35.36 35.55,30.13 35.55,30.08 34.85,29.39 34.85,20.97 30.28,16.4 22.22,16.4 19.99,14.16 19.99,11.07 20.42,10.64 21.88,10.64 22.17,10.92 22.17,11.33 23.99,13.16 33.49,13.16 38.23,17.9 38.23,26.45 38.24,26.45 38.24,27.15 44.37,33.28 44.37,69.79 43.16,70.99
VGH-LCD on TOP: 40.51,38.23 40.26,38.48 38.73,38.48 38.35,38.1 37.08,38.1 36.83,38.35 34.67,38.35 33.91,37.59 32.89,37.59 32.38,37.08 31.62,37.08 31.5,36.96 31.5,36.2 31.75,35.94 34.16,35.94 35.31,37.08 36.32,37.08 36.58,37.34 38.23,37.34 38.86,37.97 40.26,37.97
VGL-LCD on TOP: 40.13,37.85 39.12,37.85 38.35,37.08 36.83,37.08 36.07,36.32 34.92,36.32 34.29,35.69 33.78,35.69 33.66,35.56 33.66,35.05 33.78,34.92 34.8,34.92 35.05,34.67 36.58,34.67 36.83,34.92 36.83,35.69 37.21,36.07 38.99,36.07 39.24,36.32 39.24,36.7 40.13,37.59
VLED+ on TOP: 7.86,75.82 7.6,75.56 7.6,73.41 9.76,71.25 9.76,68.71 10.02,68.45 11.67,68.45 11.92,68.71 11.92,72.64 11.16,73.41 11.16,75.31 10.65,75.82
VLED+ on BOTTOM: 4.56,65.03 4.51,64.98 4.51,64.65 4.59,64.57 5.6,64.57 5.91,64.26 9.08,64.26 11.69,66.87 11.69,69.32 11.53,69.47 10.91,69.47 10.79,69.36 10.79,67.11 8.71,65.03
VLED- on TOP: 13.32,78.11 11.54,78.11 11.29,77.85 11.29,76.33 11.41,76.2 13.32,76.2 13.45,76.33 13.45,77.98
VLED- on TOP: 8.37,70.1 9.26,70.1 9.51,69.85 9.51,65.66 9.89,65.28 10.91,65.28 11.03,65.15 11.03,64.52 10.91,64.39 8.49,64.39 7.86,65.02 7.86,69.6
VLED- on BOTTOM: 4.94,69.22 2.65,66.93 2.65,63.12 3.54,62.23 5.83,62.23 6.08,61.98 8.24,61.98 8.24,63.37 8.11,63.5 7.22,63.5 6.97,63.75 4.56,63.75 4.18,64.14 4.18,66.04 5.57,67.44 7.59,67.44 12.72,72.57 12.72,77.32 12.56,77.47 11.33,77.47 11.05,77.19 11.05,73.62 6.65,69.22
N16934980 on TOP: 26.44,71.55 21.62,71.55 21.49,71.42 21.49,69.01 21.87,68.63 26.7,68.63 26.7,71.3
N16938533 on TOP: 3.79,77.85 3.16,77.22 3.16,73.91 3.54,73.53 5.7,73.53 6.08,73.91 6.08,75.31 6.84,76.07 9.89,76.07 10.14,76.33 10.14,77.72 10.02,77.85
N17008403 on TOP: 27.41,23.5 28.86,23.5 29.19,23.83 29.19,31.86 28.56,32.49 26.48,32.49 26.38,32.39 26.38,31.61 26.75,31.24 26.75,30.55 26.73,30.54 26.73,24.18
N17008549 on TOP: 26.29,33.02 27.18,33.02 27.3,33.15 27.3,37.02 26.23,37.02 26.16,36.96 26.16,33.15
N17008582 on TOP: 28.77,37.27 28.96,37.08 32,37.08 32.26,37.34 32.26,38.23 32.13,38.35 28.96,38.35 28.77,38.16
N17008674 on TOP: 32,32.26 32,31.5 32.13,31.37 33.02,31.37 33.27,31.62 33.27,31.75 34.42,32.89 34.42,34.8 33.66,34.8 33.4,34.54 33.4,33.66
N17008714 on TOP: 27.56,33.02 28.83,33.02 29.59,32.26 30.35,32.26 30.48,32.38 30.48,33.4 29.84,34.04 27.56,34.04 27.43,33.91 27.43,33.15

## Text on the board
Ref Des/Silkscreen Bottom: To Mian Board | TO DUAL MIPI
Ref Des/Silkscreen Top: TO DUAL LVDS | T527_SUB_DISPLAY_BOARD_V1_0 | 20230516 | SN: | To Mian Board | TO SINGLE MIPI | TO RGB
COMPVAL_TYPE_TOP: FIGURE | SIZE | 8.0 | 27.559 | 31.496 | 43.307 | 125.984 | 23.622 | DRILL CHART: TOP to BOTTOM | ALL UNITS ARE IN MILS | PLATED | NON-PLATED | QTY | 669 | 6 | 30 | 8 | 2
